# Altium PCB spin5v1_simple.PcbDoc (part 3 of 25)
Units mm, origin at the board's own origin, x right, y up, seen from the top; angles counter-clockwise.
Board outline 220.03 x 233.43 mm, 2 copper layers (TOP, BOTTOM), stack 0.176 mm thick; 1457 components, 4724 nets, 19245 pads, 25289 vias.
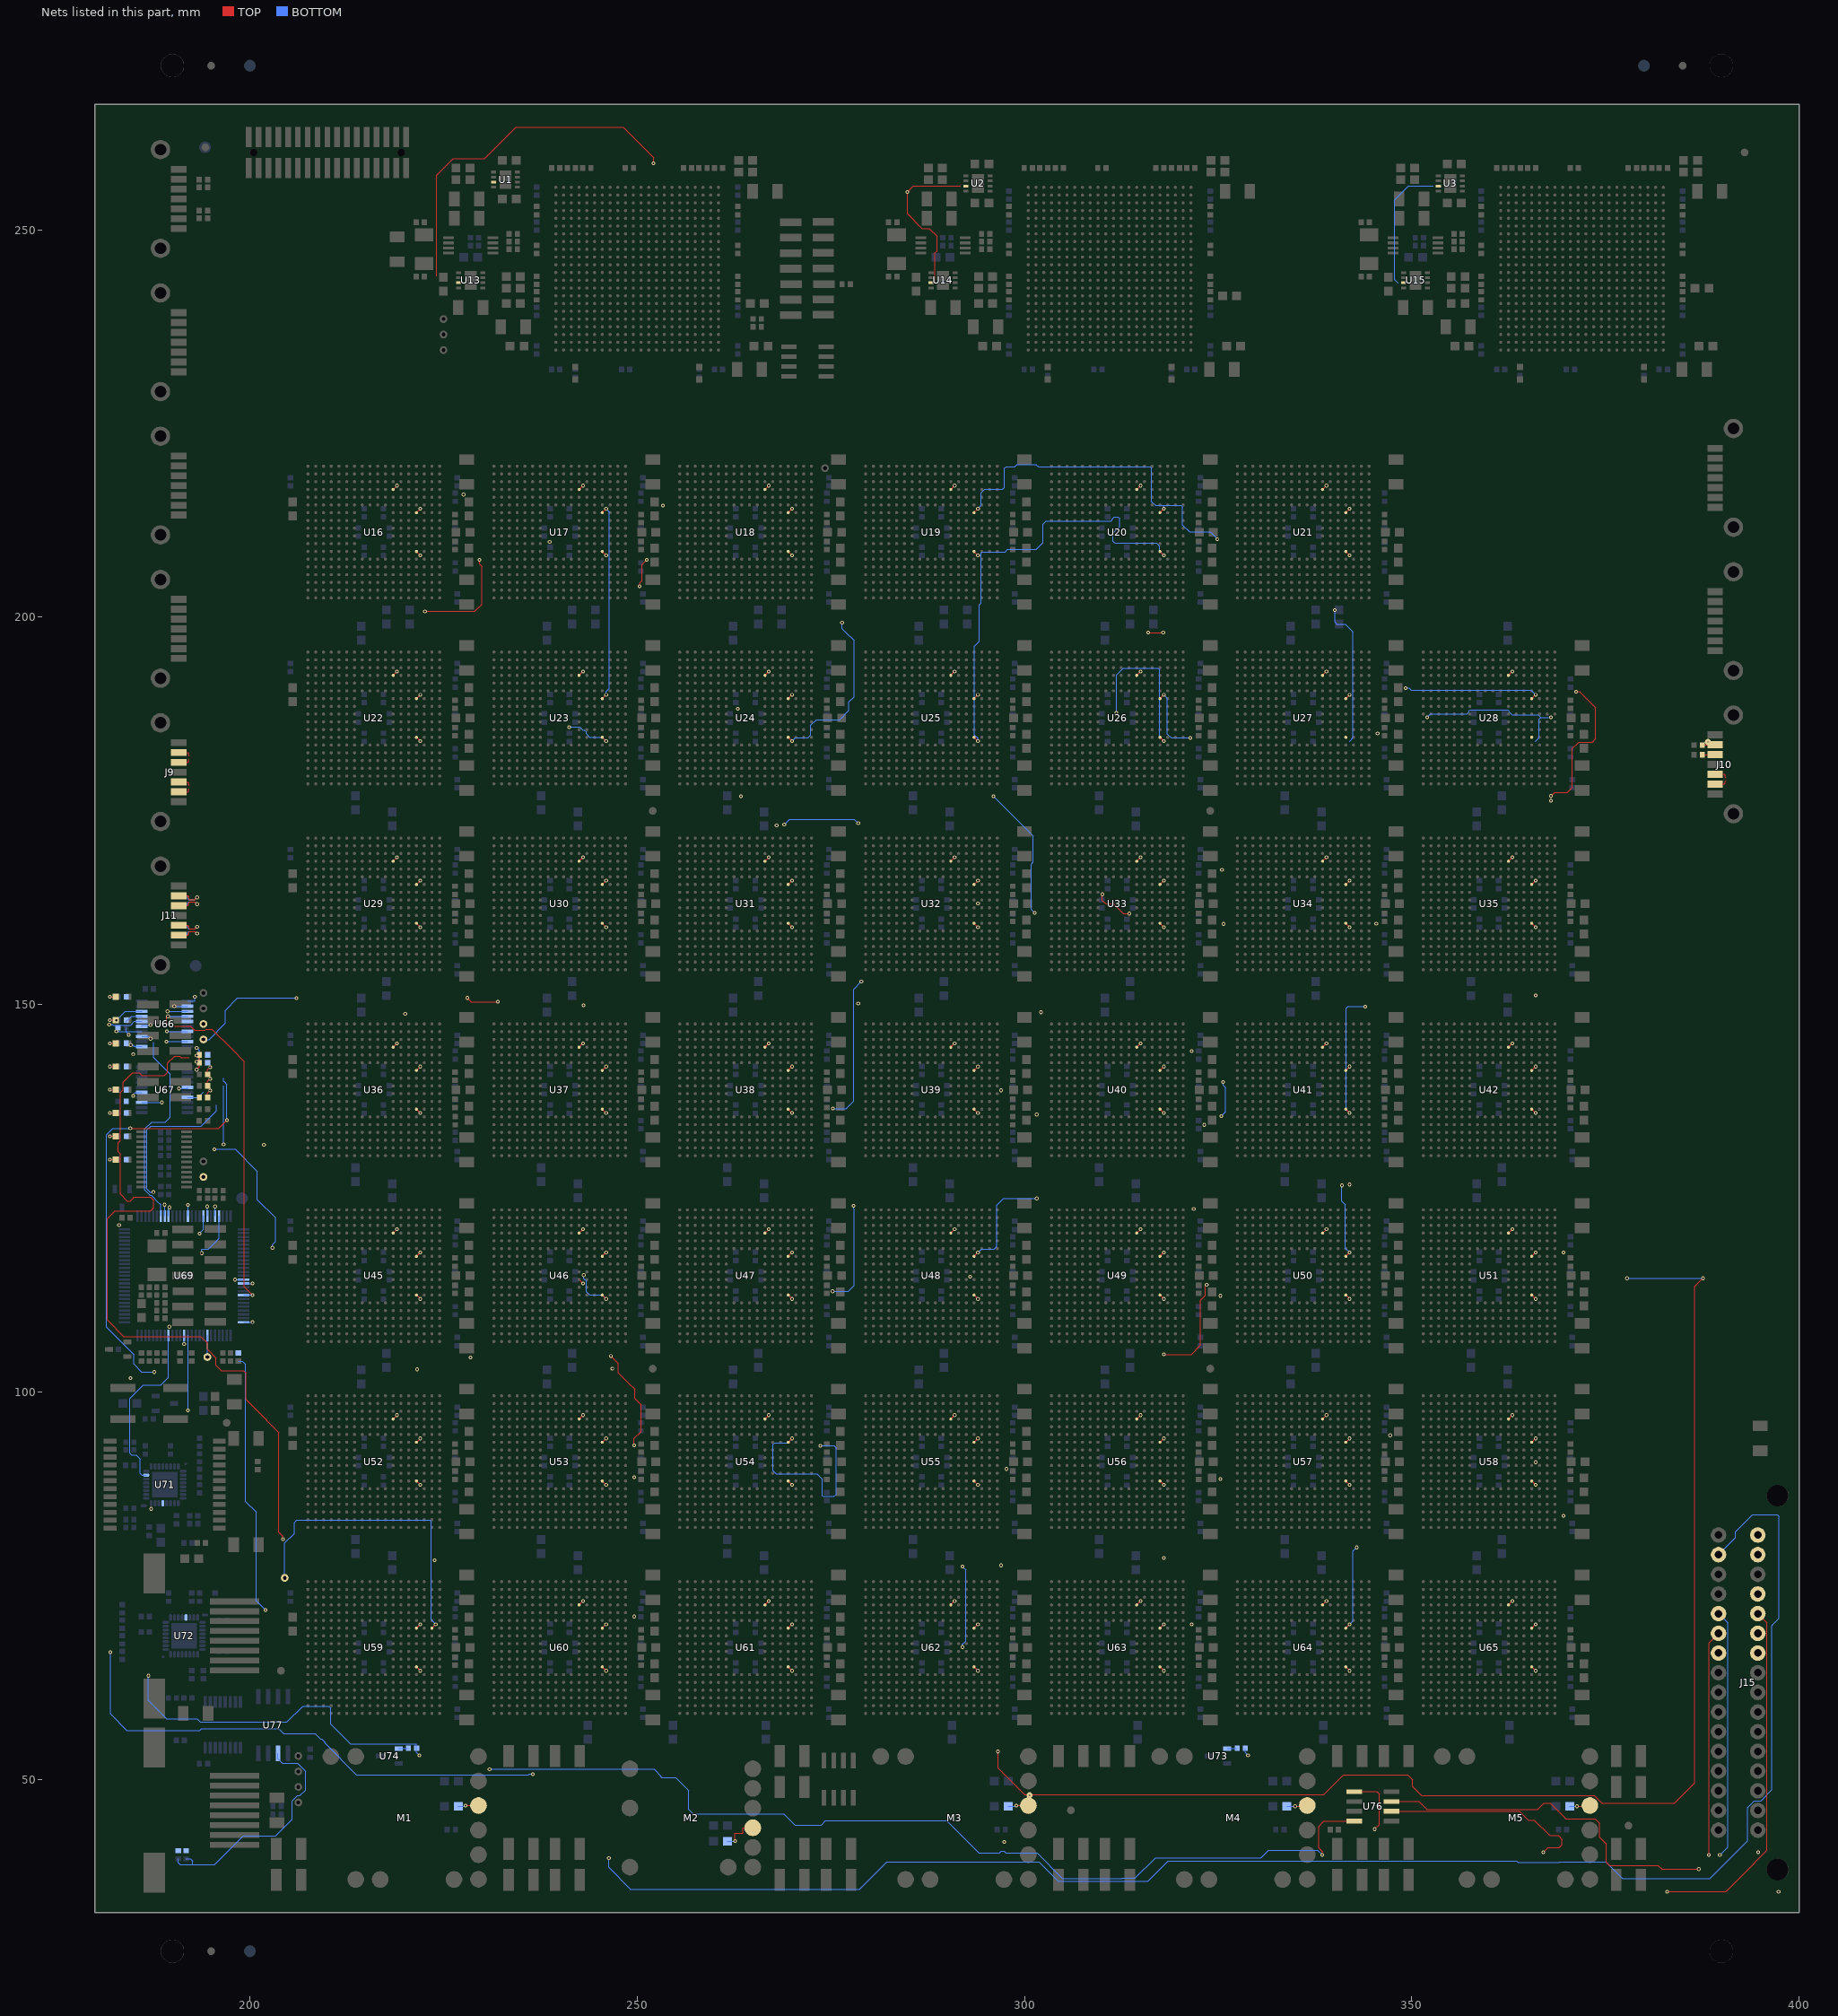
[diagram p3: the nets of this part, all layers, seen from the top]

## Footprints (in the part's own frame and the unit in brackets; to place one, negate y for a bottom-side part, rotate by r counter-clockwise, add the part's x,y. Pads: shape width x height; smd on the part's side, far side on the other; paste and mask are expansions set on the pad) (continued)
LQFP100 [mm] "LQFP100"
  rect 1.5x0.3 smd: 1(7.7,-6) 2(7.7,-5.5) 3(7.7,-5) 4(7.7,-4.5) 5(7.7,-4) 6(7.7,-3.5) 7(7.7,-3) 8(7.7,-2.5) 9(7.7,-2) 10(7.7,-1.5) 11(7.7,-1) 12(7.7,-0.5) 13(7.7,0) 14(7.7,0.5) 15(7.7,1) 16(7.7,1.5) 17(7.7,2) 18(7.7,2.5) 19(7.7,3) 20(7.7,3.5) 21(7.7,4) 22(7.7,4.5) 23(7.7,5) 24(7.7,5.5) 25(7.7,6) 51(-7.7,6) 52(-7.7,5.5) 53(-7.7,5) 54(-7.7,4.5) 55(-7.7,4) 56(-7.7,3.5) 57(-7.7,3) 58(-7.7,2.5) 59(-7.7,2) 60(-7.7,1.5) 61(-7.7,1) 62(-7.7,0.5) 63(-7.7,0) 64(-7.7,-0.5) 65(-7.7,-1) 66(-7.7,-1.5) 67(-7.7,-2) 68(-7.7,-2.5) 69(-7.7,-3) 70(-7.7,-3.5) 71(-7.7,-4) 72(-7.7,-4.5) 73(-7.7,-5) 74(-7.7,-5.5) 75(-7.7,-6)
  rect 0.3x1.5 smd: 26(6,7.7) 27(5.5,7.7) 28(5,7.7) 29(4.5,7.7) 30(4,7.7) 31(3.5,7.7) 32(3,7.7) 33(2.5,7.7) 34(2,7.7) 35(1.5,7.7) 36(1,7.7) 37(0.5,7.7) 38(0,7.7) 39(-0.5,7.7) 40(-1,7.7) 41(-1.5,7.7) 42(-2,7.7) 43(-2.5,7.7) 44(-3,7.7) 45(-3.5,7.7) 46(-4,7.7) 47(-4.5,7.7) 48(-5,7.7) 49(-5.5,7.7) 50(-6,7.7) 76(-6,-7.7) 77(-5.5,-7.7) 78(-5,-7.7) 79(-4.5,-7.7) 80(-4,-7.7) 81(-3.5,-7.7) 82(-3,-7.7) 83(-2.5,-7.7) 84(-2,-7.7) 85(-1.5,-7.7) 86(-1,-7.7) 87(-0.5,-7.7) 88(0,-7.7) 89(0.5,-7.7) 90(1,-7.7) 91(1.5,-7.7) 92(2,-7.7) 93(2.5,-7.7) 94(3,-7.7) 95(3.5,-7.7) 96(4,-7.7) 97(4.5,-7.7) 98(5,-7.7) 99(5.5,-7.7) 100(6,-7.7)
  TOP lines w0.127: 9.217,-0.147 8.786,-0.147 8.786,-0.373 8.659,-0.5 7.7,-0.5 ; 8.914,2 7.7,2 ; 8.817,-5.5 7.7,-5.5 ; 8.817,-4.5 7.7,-4.5 ; 8.817,4.931 8.748,5 7.7,5 ; 8.817,6 7.7,6 ; 7.7,-6 6.583,-6 ; 7.7,-5 6.583,-5 ; 7.7,-4 6.583,-4 ; 7.7,-2 6.583,-2 ; 7.7,-1.5 8.676,-1.5 9.248,-2.072 9.248,-5.691 8.422,-6.517 7.014,-6.517 ; 7.7,0.5 6.583,0.5 ; 7.7,3.5 8.93,3.5 9.248,3.818 9.248,9.132 7.951,10.429 7.951,11.637 7.506,12.082 7.05,12.082 ; 7.7,4.5 6.583,4.5 ; 7.7,5.5 6.724,5.5 6.152,4.928 6.152,2.04 ; 6,7.7 6,10.872 ; 5.583,-15.059 3.532,-15.059 1.5,-13.027 1.5,-7.7 ; 5.5,-9.268 5.5,-7.7 ; 5,-8.817 5,-7.7 ; 4.521,9.678 4,9.157 4,7.7 ; 4.5,7.7 4.5,8.817 ; 3.843,-6.482 3.843,-6.026 2.319,-4.502 0.405,-4.502 -1.5,-6.407 -1.5,-7.7 ; 3.5,-9.258 3.5,-7.7 ; 3,-13.433 3,-7.7 ; 2.651,-16.009 1,-14.358 1,-7.7 ; 2.5,-8.915 2.5,-7.7 ; 2.5,7.7 2.5,9.171 ; 2,7.7 2,8.71 1.893,8.817 ; 1.918,4.471 -1.658,4.471 -3.5,6.313 -3.5,7.7 ; 1.902,-0.108 0.794,1 -7.7,1 ; 1.5,7.7 1.5,8.641 1.414,8.727 1.414,8.991 0.017,10.388 -5.12,10.388 -5.732,11 ; 1,7.7 1,6.739 1.071,6.668 4.134,6.668 4.928,5.874 4.928,5.365 3.15,3.587 -0.979,3.587 -1.664,2.902 ; 0.5,-7.7 0.5,-5.033 ; 0,-8.817 0,-7.7 ; 0,7.7 0,9.258 -0.445,9.703 -0.931,9.703 ; -0.5,-17.379 -0.5,-7.7 ; -0.5,7.7 -0.5,9.131 ; -1,5.017 -1,7.7 ; -1.982,5.448 -2.5,5.966 -2.5,7.7 ; -2.224,-2.169 -3.446,-0.947 -3.446,-0.889 -4.335,0 -7.7,0 ; -2.271,2.902 -2.271,3.36 -2.342,3.431 -3.103,3.431 -4.5,4.828 -4.5,7.7 ; -2.278,-3.529 -4,-5.251 -4,-7.7 ; -2.878,3 -7.7,3 ; -3,7.7 -3,8.931 ; -3.5,-8.817 -3.5,-7.7 ; -4,7.7 -4,8.931 ; -5,-7.7 -5,-1.867 -5.967,-0.9 ; -5,7.7 -5,6.759 -6.431,6.759 -6.431,7.013 ; -5.5,-7.7 -5.5,-9.48 -6.516,-10.496 -8.645,-10.496 ; -5.5,7.7 -5.5,9.247 ; -5.964,3.5 -7.7,3.5 ; -5.964,5.5 -7.7,5.5 ; -6,-7.7 -6,-8.641 -7.091,-8.641 ; -6,7.7 -6,8.817 ; -6.364,2.5 -7.7,2.5 ; -6.394,6 -7.7,6 ; -6.431,-2.569 -6.431,-2.76 -6.671,-3 -7.7,-3 ; -6.578,-0.5 -7.7,-0.5 ; -6.583,-5.5 -7.7,-5.5 ; -6.583,-4.7 -6.583,-4.76 -6.823,-5 -7.7,-5 ; -6.583,-1.5 -7.7,-1.5 ; -6.583,5 -7.7,5 ; -7.7,-6 -8.817,-6 ; -7.7,-3.5 -8.817,-3.5 ; -7.7,-2.5 -8.817,-2.5 ; -7.7,-2 -8.577,-2 -8.817,-1.76 -8.817,-1.693 ; -7.7,-1 -8.817,-1
  silkscreen extent -6.6,-6.86 8.1,6.6, body extent -8,-8 8,8, height 1.6
PCBSW_SMT [mm] "PCBSW_SMT"
  rect 3.2x1 smd: 1(-3.35,-2) 2(3.45,-2) 3(-3.35,2) 4(3.45,2)
  TOP lines w0.127: 5.354,-3.6 5.354,-2.1 5.254,-2 3.45,-2
  silkscreen extent -5.55,-3 5.55,3, body extent -4.94,-3.17 5.1,3.17, height 5.53
QFN32 [mil] "QFN32"
  oct 15x33 smd: 1(68.9,79.25) 2(49.21,79.25) 3(29.53,79.25) 4(9.84,79.25) 5(-9.84,79.25) 6(-29.53,79.25) 7(-49.21,79.25) 8(-68.9,79.25) 17(-68.9,-107.76) 18(-49.21,-107.76) 19(-29.53,-107.76) 20(-9.84,-107.76) 21(9.84,-107.76) 22(29.53,-107.76) 23(49.21,-107.76) 24(68.9,-107.76)
  oct 33x15 smd: 9(-93.5,54.65) 10(-93.5,34.96) 11(-93.5,15.28) 12(-93.5,-4.41) 13(-93.5,-24.09) 14(-93.5,-43.78) 15(-93.5,-63.46) 16(-93.5,-83.15) 25(93.5,-83.15) 26(93.5,-63.46) 27(93.5,-43.78) 28(93.5,-24.09) 29(93.5,-4.41) 30(93.5,15.28) 31(93.5,34.96) 32(93.5,54.65)
  rect 130x130 smd: 33(0,-14.25)
  oval 33x15 smd: " "(-106.3,92.05)
  round 13.78 smd: " "(106.3,-120.55)
  TOP lines w5: -452.64,-90.43 -452.64,-2.56 -415.12,34.96 -93.5,34.96 ; -196.73,-227.13 -196.73,-210.16 -196.69,-210.12 -196.69,-74.09 -146.69,-24.09 -93.5,-24.09 ; -116.46,137.83 -95.08,116.46 -84.53,116.46 -68.9,100.83 -68.9,79.25 ; -68.9,-107.76 -68.9,-135.98 ; -49.21,128.15 -49.21,79.25 ; -29.53,105.67 -29.53,79.25 ; -29.53,-107.76 -29.53,-141.73 ; -9.84,200.83 -9.84,79.25 ; -9.84,-107.76 -9.84,-164.37 ; 9.84,-107.76 9.84,-135.98 ; 49.21,-107.76 49.21,-144.02 51.93,-146.73 51.93,-163.7 ; 68.9,-107.76 68.9,-195.2 ; 88.27,-105.43 88.27,-83.15 93.5,-83.15 ; 93.5,-63.46 116.73,-63.46 121.73,-68.46 121.73,-89.69
  silkscreen extent -122,-136 122,136, body extent -98,-113 98,84, height 30
R_PDSS_B10_E [mm] "R_PDSS_B10_E"
  round 2.16 smd: 1(-7.94,6.35) 2(-7.94,1.28) 3(-7.94,-6.35) 4(4.76,-6.35) 5(7.93,-6.35) 6(7.93,-3.81) 7(7.93,-1.27) 8(7.93,1.27) 9(7.93,3.81) 10(7.93,6.35)
  TOP lines w0.127: 1.5,-1.5 1.5,-7.5 2.363,-8.363 7.188,-8.363 7.93,-7.621 7.93,-6.35
  silkscreen extent -9.97,-8.38 9.97,8.38, body extent -8.52,-6.58 4.18,8.66, height 8.18
R_PDSS_B11_E [mm] "R_PDSS_B11_E"
  round 2.16 smd: 1(-9.535,7.94) 2(-6.345,-7.94) 3(-3.175,-7.94) 4(6.345,-7.94) 5(9.515,-7.91) 6(9.515,-4.74) 7(9.515,-1.57) 8(9.515,1.6) 9(9.515,4.77) 10(9.515,7.94) 11(-6.345,7.94)
  TOP lines w0.127: -6.345,7.94 -5.074,6.669 -4.546,6.669 -4.101,7.114 -4.101,8.45 ; 5.333,-4.739 8.243,-4.739 8.244,-4.74 9.515,-4.74
  silkscreen extent -11.55,-9.97 11.56,9.97, body extent -10.92,-5.79 1.78,9.45, height 8.18
RES_0402 [mm] "RES_0402"
  rect 0.67x0.72 smd: 1(-0.53,0) 2(0.53,0)
  TOP lines w0.127: 0.53,0 0.53,0.567 0.871,0.908
RES_0603 [mm] "RES_0603"
  rect 1.15x1.1 smd: 1(0.9,0) 2(-0.9,0)
  TOP lines w0.127: 2.239,0 0.9,0
  body extent -0.8,-0.4 0.8,0.4, height 0.45
RJ45_SMT [mm] "RJ45_SMT"
  rect 0.76x6.35 smd: 1(-4.44,7.31) 2(-3.17,7.31) 3(-1.9,7.31) 4(-0.63,7.31) 5(0.64,7.31) 6(1.91,7.31) 7(3.18,7.31) 8(4.45,7.31)
  rect 5.15x2.8 smd: " "(-8.08,-3.02) " "(8.08,-3.02)
  TOP lines w0.127: -0.5,3.307 -0.5,3.814 -0.63,3.944 -0.63,7.31 ; 4.45,7.31 4.45,10.725 4.323,10.852 3.18,10.852 3.18,7.31
  silkscreen extent -11,-11.19 11,10.81, body extent -10.16,-8.57 10.16,9.82, height 11.68
SATA_PLUG [mm] "SATA_PLUG"
  rect 2x0.9 smd: 1(-4.81,4.31) 2(-4.81,3.04) 3(-4.81,1.77) 4(-4.81,0.5) 5(-4.81,-0.77) 6(-4.81,-2.04) 7(-4.81,-3.31)
  round 2.5 hole 1.5: " "(-2.45,6.87) " "(-2.45,-5.87)
  Multi-Layer pour cut-out: -3.8,-7.2 -1.1,-7.2 -1.1,-4.5 -3.8,-4.5 -3.8,-7.2
  Multi-Layer pour cut-out: -3.8,5.5 -1.1,5.5 -1.1,8.2 -3.8,8.2 -3.8,5.5
  Multi-Layer pour cut-out: -4.988,-8.255 7.112,-8.255 7.112,9.685 -4.988,9.685
  silkscreen extent -5.95,-8.87 5.95,8.87, body extent -5.59,-8.78 5.97,8.76, height 5.85
SOIC8 [mm] "SOIC8"
  rect 2x0.6 smd: 1(-2.344,1.694) 2(-2.344,0.424) 3(-2.344,-0.846) 4(-2.344,-2.116) 5(2.456,-2.116) 6(2.456,-0.846) 7(2.456,0.424) 8(2.456,1.694)
  silkscreen extent -0.94,-2.66 1.06,2.24, body extent -3,-2.7 3,2.2, height 1.75
SOIC8_208 [mm] "SOIC8_208"
  rect 2x0.6 smd: 1(3.66,-1.819) 2(3.66,-0.549) 3(3.66,0.721) 4(3.66,1.991) 5(-3.66,1.991) 6(-3.66,0.721) 7(-3.66,-0.549) 8(-3.66,-1.819)
  silkscreen extent -1.8,-2.78 3.41,2.78, body extent -3,-2.32 3,2.58, height 1.75
SOT23#1 [mm] "SOT23"
  rect 1.05x0.6 smd: 1(-1.19,0.718) 2(-1.19,-1.182) 3(1.19,-0.232)
  TOP lines w0.127: 1.304,3.168 -0.474,1.39 -0.474,0.718 -1.19,0.718
  silkscreen extent -1.49,-1.68 0.35,1.68, body extent -1.4,-1.7 1.4,1.2, height 1.3
SOT23#2 [mm] "SOT23"
  rect 1.05x0.6 smd: 1(1.19,-0.718) 2(1.19,1.182) 3(-1.19,0.232)
  TOP lines w0.127: -10.147,-0.985 -9.716,-1.416 -0.41,-1.416 0.288,-0.718 1.19,-0.718
  silkscreen extent -1.49,-1.68 0.35,1.68, body extent -1.4,-1.7 1.4,1.2, height 1.3
SOT23#3 [mm] "SOT23"
  rect 1.05x0.6 smd: 1(1.19,-0.718) 2(1.19,1.182) 3(-1.19,0.232)
  TOP lines w0.127: 0.582,0.232 -1.19,0.232
  silkscreen extent -1.49,-1.68 0.35,1.68, body extent -1.4,-1.7 1.4,1.2, height 1.3
SOT23#4 [mm] "SOT23"
  rect 1.05x0.6 smd: 1(1.19,-0.718) 2(1.19,1.182) 3(-1.19,0.232)
  TOP lines w0.127: -2.101,-0.218 -2.101,-0.008 -1.861,0.232 -1.19,0.232
  silkscreen extent -1.49,-1.68 0.35,1.68, body extent -1.4,-1.7 1.4,1.2, height 1.3
SOT23#5 [mm] "SOT23"
  rect 1.05x0.6 smd: 1(1.19,-0.718) 2(1.19,1.182) 3(-1.19,0.232)
  TOP lines w0.127: -2.49,0.232 -1.19,0.232
  silkscreen extent -1.49,-1.68 0.35,1.68, body extent -1.4,-1.7 1.4,1.2, height 1.3
TP_SMALL [mm] "TP_SMALL"
  round 1 hole 0.5: 1(0,0)
TSSOP8 [mm] "TSSOP8"
  rect 1.4x0.35 smd: 1(-2.547,0.975) 2(-2.547,0.325) 3(-2.547,-0.325) 4(-2.547,-0.975) 5(3.203,-0.975) 6(3.203,-0.325) 7(3.203,0.325) 8(3.203,0.975)
  TOP lines w0.025: -3.672,-2.5 -3.672,2.5 4.328,2.5 4.328,-2.5 -3.672,-2.5
  TOP lines w0.127: -2.547,0.975 -0.897,0.975 -0.872,1
  silkscreen extent -3.8,-2 1.83,2, body extent -2.85,-1.48 3.61,1.52, height 1.2
TSSOP16 [mm] "TSSOP16"
  rect 1.5x0.45 smd: 1(2.857,-2.227) 2(2.857,-1.577) 3(2.857,-0.927) 4(2.857,-0.277) 5(2.857,0.373) 6(2.857,1.023) 7(2.857,1.673) 8(2.857,2.323) 9(-3.043,2.323) 10(-3.043,1.673) 11(-3.043,1.023) 12(-3.043,0.373) 13(-3.043,-0.277) 14(-3.043,-0.927) 15(-3.043,-1.577) 16(-3.043,-2.227)
  silkscreen extent -1.99,-2.85 1.81,2.95, body extent -3.35,-2.5 3.1,2.5, height 1.2
TSSOP20 [mm] "TSSOP20"
  rect 1.5x0.45 smd: 1(2.857,-2.727) 2(2.857,-2.077) 3(2.857,-1.427) 4(2.857,-0.777) 5(2.857,-0.127) 6(2.857,0.523) 7(2.857,1.173) 8(2.857,1.823) 9(2.857,2.473) 10(2.857,3.123) 11(-3.043,3.123) 12(-3.043,2.473) 13(-3.043,1.823) 14(-3.043,1.173) 15(-3.043,0.523) 16(-3.043,-0.127) 17(-3.043,-0.777) 18(-3.043,-1.427) 19(-3.043,-2.077) 20(-3.043,-2.727)
  TOP lines w0.127: -7.26,0.272 -6.829,0.272 -6.74,0.361 -4.482,0.361 -3.994,-0.127 -3.043,-0.127 ; -6.337,1.173 -3.043,1.173 ; -6.325,-0.263 -5.161,-1.427 -3.043,-1.427 ; -5.089,-0.07 -4.382,-0.777 -3.043,-0.777 ; -4.482,2.93 -4.051,2.93 -4.051,3.123 -3.043,3.123 ; -3.043,1.823 -2.166,1.823 -1.926,2.063 -1.926,2.11 ; -3.043,0.523 -3.043,0.365 -1.926,0.365 ; -3.043,-2.077 -1.926,-2.077 ; -0.237,-3.236 -0.237,-0.7 1.097,0.634 2.857,0.634 2.857,0.523 ; 0.125,2.473 2.857,2.473 ; 0.193,1.173 2.857,1.173 ; 0.26,-1.427 2.857,-1.427 ; 0.325,-0.777 2.857,-0.777 ; 1.14,-2.077 2.857,-2.077 ; 2.857,1.823 3.974,1.823 ; 2.857,-2.727 3.798,-2.727 3.798,-3.319
  silkscreen extent -1.98,-3.05 1.8,3.45, body extent -3.35,-3.12 3.1,3.38, height 1.2
TSSOP24 [mm] "TSSOP24"
  rect 1.4x0.35 smd: 1(-2.595,3.265) 2(-2.595,2.615) 3(-2.595,1.965) 4(-2.595,1.315) 5(-2.595,0.665) 6(-2.595,0.015) 7(-2.595,-0.635) 8(-2.595,-1.285) 9(-2.595,-1.935) 10(-2.595,-2.585) 11(-2.595,-3.235) 12(-2.595,-3.885) 13(3.155,-3.885) 14(3.155,-3.235) 15(3.155,-2.585) 16(3.155,-1.935) 17(3.155,-1.285) 18(3.155,-0.635) 19(3.155,0.015) 20(3.155,0.665) 21(3.155,1.315) 22(3.155,1.965) 23(3.155,2.615) 24(3.155,3.265)
  TOP lines w0.127: -4.195,-3.228 -4.911,-2.512 -4.911,0.181 -4.811,0.281 -3.796,0.281 -3.53,0.015 -2.595,0.015 ; -2.595,0.665 -1.528,0.665 ; -2.595,1.315 -1.528,1.315 ; -2.595,1.965 -1.528,1.965 ; 1.587,-1.31 2.262,-0.635 3.155,-0.635 ; 1.587,1.19 2.112,0.665 3.155,0.665 ; 3.155,-1.285 4.222,-1.285 ; 3.155,0.015 4.223,0.015 ; 3.155,1.315 4.222,1.315
  silkscreen extent -1.65,-4.31 2.1,3.94, body extent -3.02,-4.23 3.43,3.57, height 1.2
WURTH_ETH_TXFMR [mm] "WURTH_ETH_TXFMR"
  rect 1.65x0.64 smd: 1(-7.05,5.59) 2(-7.05,4.57) 3(-7.05,3.55) 4(-7.05,2.53) 5(-7.05,1.51) 6(-7.05,0.49) 7(-7.05,-0.53) 8(-7.05,-1.55) 9(-7.05,-2.57) 10(-7.05,-3.59) 11(-7.05,-4.61) 12(-7.05,-5.63) 13(7.05,-5.63) 14(7.05,-4.61) 15(7.05,-3.59) 16(7.05,-2.57) 17(7.05,-1.55) 18(7.05,-0.53) 19(7.05,0.49) 20(7.05,1.51) 21(7.05,2.53) 22(7.05,3.55) 23(7.05,4.57) 24(7.05,5.59)
  TOP lines w0.125: -1.71,-3.722 -1.895,-3.722 -2.325,-3.292 -2.757,-3.292 -4.524,-5.059 -4.874,-5.059 -5.143,-4.79 -5.143,-4.34 -5.639,-3.844 -6.796,-3.844 -7.05,-3.59 ; -2.579,-3.722 -2.591,-3.722 -2.711,-3.842 -2.847,-3.842 -4.389,-5.384 -6.804,-5.384 -7.05,-5.63 ; -7.05,5.59 -8.024,5.59 -8.927,4.687 -10.595,4.687 -10.795,4.887 ; -7.05,3.55 -8.066,3.55 -8.878,4.362 -10.619,4.362 -10.795,4.186 -10.795,4.018 ; -7.05,2.53 -7.941,2.53 -8.747,1.724 -9.434,1.724 -9.663,1.953 -9.768,1.953 ; -7.05,0.49 -7.887,0.49 -8.796,1.399 -9.453,1.399 -9.768,1.084 ; -7.05,-0.53 -7.313,-0.793 -8.198,-0.793 -8.926,-0.065 ; -7.05,-2.57 -7.316,-2.304 -7.871,-2.304 -8.216,-1.959 -8.216,-1.166 -8.264,-1.118 -8.333,-1.118 -8.517,-0.934 -8.926,-0.934
  TOP lines w0.127: 7.05,4.57 5.985,4.57 5.858,4.697 5.858,5.5 ; 7.05,1.51 5.858,1.51 ; 7.05,-1.55 5.905,-1.55 5.858,-1.503 ; 7.05,-4.61 6.098,-4.61 5.858,-4.85 5.858,-4.931 ; -5.858,-1.55 -7.05,-1.55 ; -7.05,4.57 -6.034,4.57 -5.866,4.402 -5.866,2.189 -6.545,1.51 -7.05,1.51 ; -7.05,-4.61 -10.219,-4.61 -11.263,-3.566
  silkscreen extent -5.97,-6.82 5.97,6.82, body extent -5.98,-6.83 5.98,6.83, height 3

## Free pads (board coordinates)
  round 3 hole 3: ""(190,27.8) ""(190,271.2) ""(390,27.8) ""(390,271.2)
  round 1.524 smd far side: ""(193,155) ""(194.203,260.669) ""(199,125) ""(200,27.8) ""(200,271.2) ""(380,271.2)
  round 1 smd: ""(194.251,260.669) ""(195,27.8) ""(195,271.2) ""(385,271.2)
  round 1 all layers, no hole: ""(197,96) ""(204,64) ""(252,103) ""(252,175) ""(306,46) ""(324,103) ""(324,175) ""(378,44) ""(393,260)

## Via types
v1: diameter 0.48, hole 0.25, TOP to BOTTOM, 22348 vias
v2: diameter 0.61, hole 0.3, TOP to BOTTOM, 2059 vias
v3: diameter 0.8, hole 0, TOP to BOTTOM, 882 vias

## Nets (pads, with @x,y where several pads share a name; then routed paths per layer and width w, separated by ;. In a path a pad name is that pad's centre, name@x,y a point inside that pad or via, vN(x,y) a via of type N, cw(c..) or ccw(c..) an arc to the next point about the centre after c; other vN are vias at no path point)
ADJ_12A: M1.8 R196.2 | length 2.7
  TOP w0.127: v1(227.842,46.6) M1.8@229.515,46.6
  BOTTOM w0.127: R196.2@226.9,46.5 227.842,46.5 v1(227.842,46.6)
ADJ_12B: M3.8 R195.2 | length 175.8
  TOP w0.127: v1(296.6,53.569) 296.6,51.427 300.036,47.991 338.631,47.991 341.198,50.558 349.47,50.558 350.122,49.906 350.122,49.026 351.277,47.871 373.57,47.871 374.54,46.901 383.937,46.901 386.541,49.505 386.541,113.601 v1(387.6,114.66) ; v1(298.966,46.6) M3.8@300.515,46.6
  BOTTOM w0.127: R195.2@297.9,46.5 298.966,46.5 v1(298.966,46.6) ; v1(377.8,114.66) v1(387.6,114.66)
  other v3: 300.666,47.917
ADJ_12C: M5.8 R193.2 | length 2.7
  TOP w0.127: v1(371.342,46.5) 373.015,46.5 M5.8@373.015,46.6
  BOTTOM w0.127: R193.2@370.4,46.5 v1(371.342,46.5)
ADJ_18: M4.8 R194.2 | length 2.7
  TOP w0.127: v1(334.955,46.5) 336.515,46.5 M4.8@336.515,46.6
  BOTTOM w0.127: R194.2@333.9,46.5 v1(334.955,46.5)
ADJ_33: M2.7 R202.2 | length 5
  TOP w0.127: v1(262.644,42) 262.644,43.012 263.659,43.012 263.659,43.73 M2.7@264.93,43.73
  BOTTOM w0.127: R202.2@261.65,42 v1(262.644,42)
BID<0>: J15.A7 R12.2 | length 19.4
  BOTTOM w0.127: v1(187.547,125.794) 187.083,125.794 186.686,126.191 186.686,133.807 187.194,134.315 193.704,134.315 195.673,136.284 195.673,136.998
  other v1: 194.871,138.908
BID<1>: J15.C7 R99.2 | length 66.1
  BOTTOM w0.127: v1(181.989,66.417) 181.989,58.434 184.102,56.321 193.513,56.321 193.734,56.542 203.727,56.542 204.373,55.896 208.442,55.896 209.133,55.205 209.264,55.205 209.665,54.804 209.665,54.673 213.769,50.569 235.997,50.569 236.084,50.656 v1(236.515,50.656)
  other v1: 183.113,121.517
BID<2>: J15.A5 R11.2 | length 53.7
  TOP w0.127: v1(382.999,35.483) 390.579,35.483 394.326,39.23 394.326,39.261 395.891,40.826 395.891,70.179 J15.A5@394.7,71.37
  BOTTOM w0.127: v1(196.598,131.948) 196.598,139.5
  other v1: 194.871,140.408
BID<3>: J15.C5 R131.2 | length 66
  BOTTOM w0.127: 198.5,103.97 199.056,103.97 199.453,103.573 199.453,85.853 200.799,84.507 200.799,73.041 v1(201.998,71.842) ; J15.C5@389.62,71.37 390.811,70.179 390.811,41.244 v1(389.788,40.221)
BID<4>: J15.A4 R10.2 | length 56.1
  TOP w0.127: v1(184.554,134.022) 195.986,134.022 v1(197.029,135.065)
  BOTTOM w0.127: v1(184.554,134.022) 182.303,134.022 181.477,133.196 181.477,108.36 182.271,107.566 182.282,107.566 185.013,104.835 185.013,103.583 186.029,102.567 v1(187.65,102.567) ; 196.599,140.5 196.599,140.069 196.648,140.069 197.029,139.688 v1(197.029,135.065)
  other v1: 194.871,141.908
BMP_AT25_SO: R203.2 R204.2 U77.2 | length 31.2
  BOTTOM w0.127: 190.75,39.72 190.75,39.194 190.966,38.978 192.603,38.978 ; 191.75,39.72 192.301,39.72 192.603,39.418 192.603,38.978 ; U77.2@203.63,53.34 203.63,52.64 204.182,52.088 206.139,52.088 207.195,51.032 207.195,48.608 206.469,47.882 206.155,47.882 205.461,47.188 205.461,44.821 203.31,42.67 199.159,42.67 195.467,38.978 192.603,38.978
BMP_LED_R<0>: D14.1 R112.2
  other v1: 181.908,130
BMP_LED_R<1>: D13.1 R108.2
  other v1: 181.908,133
BMP_LED_R<2>: D12.1 R100.2
  other v1: 181.908,136
BMP_LED_R<3>: D11.1 R98.2
  other v1: 181.908,139
BMP_LED_R<4>: D10.1 R97.2
  other v1: 181.908,142
BMP_LED_R<5>: D9.1 R89.2
  other v1: 181.908,145
BMP_LED_R<6>: D8.1 R87.2
  other v1: 181.908,148
BMP_LED_R<7>: D7.1 R86.2
  other v1: 181.908,151
BOOT1_U: R12.1 U67.17 U69.75
  other v1: 200.317,109 201.817,131.885
BOOT<1>: TP8.1 U16.M15 U17.M15 U18.M15 U19.M15 U20.M15 U21.M15 U22.M15 U23.M15 U24.M15 U25.M15 U26.M15 U27.M15 U28.M15 U29.M15 U30.M15 U31.M15 U32.M15 U33.M15 U34.M15 U35.M15 U36.M15 U37.M15 U38.M15 U39.M15 U40.M15 U41.M15 U42.M15 U45.M15 U46.M15 U47.M15 U48.M15 U49.M15 U50.M15 U51.M15 U52.M15 U53.M15 U54.M15 U55.M15 U56.M15 U57.M15 U58.M15 U59.M15 U60.M15 U61.M15 U62.M15 U63.M15 U64.M15 U65.M15 U67.3 | length 253.4
  TOP w0.127: v1(222.6,200.765) 229.057,200.765 229.946,201.654 229.946,206.545 229.648,206.843 v1(229.648,207.4) ; v1(250.321,204) 250.321,204.431 250.635,204.745 250.635,206.808 v1(251.227,207.4) ; v1(310.067,164.242) 310.067,163.441 310.512,162.996 311.51,162.996 312.764,161.742 v1(313.534,161.742) ; v1(315.999,198.02) v1(317.917,198.02)
  BOTTOM w0.127: TP8.1@194,145.5 194.726,145.5 196.822,147.596 196.822,149.26 198.41,150.848 v1(206.01,150.848) ; v1(241.204,185.828) 242.563,185.828 242.96,185.431 243.178,185.431 243.431,185.178 243.431,184.95 243.876,184.505 245.495,184.505 v1(246,184) ; v1(243.099,115.067) 243.099,114.636 243.431,114.304 243.431,112.95 243.876,112.505 245.495,112.505 v1(246,112) ; v1(270,184) 270.431,184.431 272.05,184.431 272.431,184.812 272.431,186.067 273.13,186.766 276.146,186.766 277.353,187.973 277.353,189.064 278.012,189.723 278.012,196.996 276.869,198.139 276.853,198.139 276.456,198.536 v1(276.456,199.321) ; v1(275.237,112.984) 277.265,112.984 278.027,113.746 278.027,123.484 277.942,123.569 v1(277.942,124) ; v1(275.285,136.584) 276.989,136.584 277.942,137.537 277.942,151.989 v1(278.942,152.989) ; v1(292,67.067) 292,67.391 292.431,67.822 292.431,77.009 v1(292,77.44) ; v1(294,184) 294,184.391 293.569,184.822 293.569,196.288 293.966,196.685 293.973,196.685 294.172,196.884 294.172,201.563 294.431,201.822 294.431,208 ; v1(294,208) 294.431,208 ; v1(311.89,187.678) 311.89,192.542 312.779,193.431 317.232,193.431 317.431,193.232 317.431,184.569 v1(318,184) ; v1(318,208) 317.431,208.569 317.431,209.185 317.05,209.566 311.692,209.566 311.438,209.82 311.438,210.828 312.3,211.69 312.3,212.767 312.101,212.966 311.629,212.966 311.311,212.648 311.311,212.531 311.211,212.431 302.817,212.431 302.42,212.034 302.42,209.648 301.531,208.759 297.849,208.759 297.521,208.431 294.558,208.431 294.431,208.304 294.431,208 ; v1(325.435,135.608) 325.973,136.146 325.973,139.261 325.665,139.569 v1(325.665,140) ; v1(340.083,200.907) 340.083,199.374 340.337,199.12 341.415,199.12 342.431,198.104 342.431,184.431 342,184 ; v1(342,136) 341.569,136.431 341.569,149.54 341.768,149.739 v1(344,149.739) ; v1(352,187.066) 352.434,187.5 357.113,187.5 357.431,187.818 357.431,187.966 357.531,188.066 362.461,188.066 362.561,187.966 362.561,187.792 362.958,187.395 366.358,187.395 366.686,187.067 ; 366,184 366.432,184.432 366.432,186.813 366.686,187.067 ; v1(368,187.067) 366.686,187.067
  other v1: 222,64 246,64 270,64 294,64 318,64 342,64 366,64 223.862,78.274 318,78.556 369.607,84 222,88 246,88 270,88 294,88 318,88 342,88 366,88 325.315,88.761 246.8,103.014 222,112 270,112 294,112 318,112 342,112 366,112 325.315,112.405 243,114 293,114.88 369.607,117.977 321.862,123.6 341.989,126.765 323.227,134.469 222,136 246,136 270,136 294,136 318,136 366,136 188.647,137.37 220.049,148.807 243.063,149.903 222,160 246,160 270,160 294,160 318,160 342,160 366,160 325.715,160.408 345.431,160.43 268,173.118 368,176.321 222,184 345.607,185.001 222,208 246,208 270,208 342,208 238.696,209.742
CAN_M: J15.A6 U76.6 | length 27
  TOP w0.127: U76.6@347.4,45.86 363.925,45.86 365.06,44.725 365.829,44.725 367.815,42.739 368.916,42.739 369.41,42.245 369.41,41.505 369.079,41.174 367.606,41.174 v1(366.998,40.566)
CAN_P: J15.C6 U76.7 | length 75.5
  TOP w0.127: U76.7@347.4,47.13 350.94,47.13 351.956,46.114 366.259,46.114 367.076,46.931 367.905,46.931 369.951,44.885 373.693,44.885 374.286,44.292 374.286,42.499 375.162,41.623 375.162,39.277 375.56,38.879 381.825,38.879 382.3,38.404 v1(387.061,38.404) ; v1(388.388,40.235) 388.388,67.598 J15.C6@389.62,68.83
CAN_RX: U69.46 U76.4 | length 125.9
  TOP w0.127: v1(338.466,40.234) 338.466,40.665 338.009,41.122 338.009,43.922 338.677,44.59 U76.4@342.6,44.59
  BOTTOM w0.127: v1(230.943,51.287) 252.18,51.287 253.069,50.398 253.069,50.355 253.196,50.228 254.969,50.228 256.663,48.534 256.663,46.119 257.234,45.548 268.914,45.548 270.363,44.099 273.789,44.099 274.316,44.626 289.949,44.626 294.12,40.455 296.76,40.455 296.995,40.69 297.351,40.69 297.586,40.455 301.64,40.455 304.891,37.204 312.655,37.204 312.667,37.216 314.276,37.216 316.91,39.85 330.573,39.85 331.55,40.827 337.873,40.827 v1(338.466,40.234)
  other v1: 195.5,123.931
CAN_TX: U69.47 U76.1 | length 8.1
  TOP w0.127: U76.1@342.6,48.4 345.492,48.4 345.81,48.082 345.81,44.142 v1(345.218,43.55)
  other v1: 193.771,117.902
CLK10: TP12.1 U59.G17 U69.44 | length 39
  BOTTOM w0.127: TP12.1@204.5,76 204.5,80.491 205.736,81.727 205.736,83.113 206.054,83.431 223.232,83.431 223.431,83.232 223.431,70.569 v1(224,70)
  other v1: 194.5,123.931
CLK25: TP11.1 U69.82 U72.5 | length 2.8
  BOTTOM w0.127: TP11.1@194.5,104.5 U69.82@194.5,107.3
CLK32: TP7.1 U16.G15 U17.G15 U18.G15 U19.G15 U20.G15 U21.G15 U22.G15 U23.G15 U24.G15 U25.G15 U26.G15 U27.G15 U28.G15 U29.G15 U30.G15 U31.G15 U32.G15 U33.G15 U34.G15 U35.G15 U36.G15 U37.G15 U38.G15 U39.G15 U40.G15 U41.G15 U42.G15 U45.G15 U46.G15 U47.G15 U48.G15 U49.G15 U50.G15 U51.G15 U52.G15 U53.G15 U54.G15 U55.G15 U56.G15 U57.G15 U58.G15 U59.G15 U60.G15 U61.G15 U62.G15 U63.G15 U64.G15 U65.G15 U67.5 | length 249
  TOP w0.127: v1(228.059,150.866) 228.571,150.354 v1(232,150.354) ; v1(246.6,104.639) 247.585,103.654 247.585,102.463 248.855,101.193 248.859,101.193 249.685,100.367 249.685,99.148 250.486,98.347 250.486,94.863 249.607,93.984 v1(249.607,93.1) ; v1(318.001,104.842) 321.547,104.842 322.754,106.049 322.754,111.829 323.366,112.441 323.366,113.673 v1(323.535,113.842) ; v1(368,176.928) 368.471,177.399 370.119,177.399 370.754,178.034 370.754,183.04 371.58,183.866 373.328,183.866 373.773,184.311 373.773,188.304 371.677,190.4 v1(371.228,190.4)
  BOTTOM w0.127: v1(184.933,138.226) 184.933,138.43 185.173,138.67 U67.5@186.05,138.67 ; v1(195.396,131.317) 198.114,131.317 200.972,128.459 200.972,124.82 203.328,122.464 203.328,119.443 202.916,119.031 v1(202.916,118.6) ; v1(246,190) 246,190.391 246.431,190.822 246.431,213.569 v1(246,214) ; v1(268.993,173.232) 269.684,173.923 278.05,173.923 v1(278.542,173.431) ; v1(270,94) 269.431,93.431 267.768,93.431 267.569,93.232 267.569,89.812 267.95,89.431 273.24,89.431 273.939,88.732 273.939,86.604 274.039,86.504 275.444,86.504 275.698,86.758 275.698,92.784 275.444,93.038 v1(273.67,93.038) ; v1(294,118) 294.445,118.445 296.113,118.445 296.431,118.763 296.431,124.089 297.32,124.978 v1(301.597,124.978) ; v1(294,214) 294.432,214.432 294.432,216.06 294.877,216.505 297.177,216.505 297.431,216.759 297.431,219.228 297.63,219.427 298.73,219.427 299.042,219.739 301.504,219.739 301.812,219.431 316.232,219.431 316.431,219.232 316.431,214.939 316.939,214.431 318,214.431 ; v1(296,176.897) 296.761,176.136 296.768,176.136 301.15,171.754 301.15,168.398 300.898,168.146 300.898,162.273 v1(301.329,161.842) ; v1(318,190) 318.432,189.568 318.432,184.939 318.94,184.431 v1(321.431,184.431) ; v1(318,214) 318,214.431 ; v1(324.922,210.083) 323.985,211.02 321.32,211.02 320.431,211.909 320.431,214.232 320.232,214.431 318,214.431 ; v1(341,126.646) 341,124.609 341.431,124.178 341.431,118.569 v1(342,118) ; v1(342,70) 342.432,70.432 342.432,79.457 v1(342.9,79.925) ; v1(349.227,190.865) 349.658,190.865 349.957,190.566 365.434,190.566 v1(366,190)
  other v1: 222,70 246,70 270,70 294,70 318,70 321.607,70 366,70 249.607,71 297,77.606 249.607,89 297.696,90.049 366,90.931 222,94 246,94 294,94 318,94 342,94 366,94 347.227,94.4 221.599,102.904 228.465,104.427 222,118 246,118 270,118 318,118 366,118 301.597,135.8 297,138.931 222,142 246,142 270,142 294,142 318,142 342,142 366,142 321.607,144 302.152,149 278.542,150.131 366,151.196 294,163.068 222,166 246,166 270,166 294,166 318,166 342,166 366,166 325.515,167.4 263.4,176.907 262.999,188.172 222,190 270,190 294,190 342,190 222,214 270,214 342,214 253.342,214.407 227.578,215.842
CLK32_U: U67.15 U69.39
  other v1: 192,124.131 190.833,139.162
CLK50: TP10.1 U69.43 U69.88 U71.5
  other v1: 191.5,106.183 193.482,120.448
CRS: U69.92 U71.15 | length 23
  BOTTOM w0.127: U71.15@186.625,89.25 186.074,89.25 185.82,89.504 185.82,91.354 185.312,91.862 184.703,91.862 184.504,92.061 184.504,99.165 186.219,100.88 188.484,100.88 189.5,101.896 U69.92@189.5,107.3
  other v1: 192,97.621
EMUX: U63.D12
  other v1: 315,73
EMUX_47: U62.D12
  other v1: 291,73
EMUX_48: U61.D12
  other v1: 267,73
EMUX_49: U60.D12
  other v1: 243,73
EMUX_50: U28.D12
  other v1: 363,193
EMUX_51: U21.D12
  other v1: 339,217
EMUX_52: U19.D12
  other v1: 291,217
EMUX_53: U18.D12
  other v1: 267,217
EMUX_54: U17.D12
  other v1: 243,217
EMUX_55: U25.D12
  other v1: 291,193
EMUX_56: U20.D12
  other v1: 315,217
EMUX_57: U27.D12
  other v1: 339,193
EMUX_58: U35.D12
  other v1: 363,169
EMUX_59: U42.D12
  other v1: 363,145
EMUX_60: U34.D12
  other v1: 339,169
EMUX_61: U26.D12
  other v1: 315,193
EMUX_62: U24.D12
  other v1: 267,193
EMUX_63: U23.D12
  other v1: 243,193
EMUX_64: U16.D12
  other v1: 219,217
EMUX_65: U51.D12
  other v1: 363,121
EMUX_66: U41.D12
  other v1: 339,145
EMUX_67: U33.D12
  other v1: 315,169
EMUX_68: U32.D12
  other v1: 291,169
EMUX_69: U31.D12
  other v1: 267,169
EMUX_70: U30.D12
  other v1: 243,169
EMUX_71: U22.D12
  other v1: 219,193
EMUX_72: U58.D12
  other v1: 363,97
EMUX_73: U50.D12
  other v1: 339,121
EMUX_74: U40.D12
  other v1: 315,145
EMUX_75: U39.D12
  other v1: 291,145
EMUX_76: U38.D12
  other v1: 267,145
EMUX_77: U37.D12
  other v1: 243,145
EMUX_78: U36.D12
  other v1: 219,145
EMUX_79: U29.D12
  other v1: 219,169
EMUX_80: U65.D12
  other v1: 363,73
EMUX_81: U57.D12
  other v1: 339,97
EMUX_82: U49.D12
  other v1: 315,121
EMUX_83: U48.D12
  other v1: 291,121
EMUX_84: U47.D12
  other v1: 267,121
EMUX_85: U46.D12
  other v1: 243,121
EMUX_86: U45.D12
  other v1: 219,121
EMUX_87: U64.D12
  other v1: 339,73
EMUX_88: U56.D12
  other v1: 315,97
EMUX_89: U55.D12
  other v1: 291,97
EMUX_90: U54.D12
  other v1: 267,97
EMUX_91: U53.D12
  other v1: 243,97
EMUX_92: U52.D12
  other v1: 219,97
EN_V12: R187.1 U66.9 | length 43.7
  BOTTOM w0.127: v1(186.881,63.362) 186.881,60.164 189.255,57.79 193.179,57.79 193.601,57.368 204.759,57.368 206.822,59.431 210.178,59.431 210.431,59.178 210.431,57.111 212.968,54.574 221.53,54.574 221.53,54
  other v1: 189.218,145.23
EN_V12_U: R8.2 U66.11 U69.32 | length 26.7
  BOTTOM w0.127: 187.548,145.124 187.548,144.58 187.548,143.162 188.755,141.955 ; U69.32@188.5,122.7 188.5,124.163 188.301,124.362 188.254,124.362 187.253,125.363 187.131,125.363 186.432,126.062 186.432,133.934 187.321,134.823 189.074,134.823 189.709,135.458 189.709,141.002 188.756,141.955
  other v1: 193.129,142.592 184.611,144.773
EN_V18: R186.1 U66.7
  other v1: 297.38,41.882 328.871,53.092 187.25,84.896 189.598,108.417 189.286,146.53
EN_V18_U: R9.2 U66.13 U69.33
  other v1: 189,124.171 193.129,141.592 187.167,145.593
EN_VFPGA: U1.3 U2.3 U3.3 U13.3 U14.3 U15.3 U66.5 | length 84.2
  TOP w0.127: 224.083,244.022 224.083,257.044 226.242,259.203 230.31,259.203 230.327,259.22 234.385,263.278 248.178,263.278 252.115,259.341 v1(252.115,258.6) ; U14.3@287.95,243.175 288.466,243.175 288.466,247.036 288.731,247.301 288.731,249.186 287.715,250.202 286.796,250.202 284.891,252.107 v1(284.891,254.898) 285.668,255.675 291.758,255.675
  BOTTOM w0.127: 348.221,243.175 347.827,243.569 347.827,253.897 349.605,255.675 352.758,255.675
EN_VFPGA_U: R88.1 U66.15 U69.34
  other v1: 189.607,123.817 184.371,146.092 187.167,147.338
ENV12_INT: R187.2 U74.1 | length 1.3
  BOTTOM w0.127: U74.1@219.19,53.95 219.944,53.95 219.944,54 220.47,54
  other v1: 221.871,53.092
ENV18_INT: R186.2 U73.1 | length 1.3
  BOTTOM w0.127: U73.1@326.19,53.95 326.944,53.95 326.944,54 327.47,54
F0_RXN: C240.1 J11.3 | length 8.3
  TOP w0.062: J11.3@190.81,160.23 191.963,160.23 192.088,160.105 192.088,159.882 192.146,159.824 ; 192.975,159.824 v1(193.18,160.029)
  TOP w0.125: J11.3@190.81,160.23 191.963,160.23 192.088,160.105 192.088,159.882 192.213,159.757 192.908,159.757 v1(193.18,160.029)
  BOTTOM w0.062: 191.34,160.23 191.838,160.23 191.963,160.105 191.963,159.882 192.021,159.824 ; 192.975,159.824 v1(193.18,160.029)
  BOTTOM w0.125: 191.34,160.23 191.838,160.23 191.963,160.105 191.963,159.882 192.088,159.757 192.908,159.757 v1(193.18,160.029)
F0_RXP: C241.1 J11.2 | length 8.3
  TOP w0.062: J11.2@190.81,158.96 191.963,158.96 192.088,159.085 192.088,159.307 192.146,159.365 ; 192.975,159.365 v1(193.18,159.16)
  TOP w0.125: J11.2@190.81,158.96 191.963,158.96 192.088,159.085 192.088,159.307 192.213,159.432 192.908,159.432 v1(193.18,159.16)
  BOTTOM w0.062: 191.34,158.96 191.838,158.96 191.963,159.085 191.963,159.307 192.021,159.365 ; 192.975,159.365 v1(193.18,159.16)
  BOTTOM w0.125: 191.34,158.96 191.838,158.96 191.963,159.085 191.963,159.307 192.088,159.432 192.908,159.432 v1(193.18,159.16)
F0_TXN: C225.1 J11.5 | length 8.3
  TOP w0.062: J11.5@190.81,162.77 191.963,162.77 192.088,162.895 192.088,163.117 192.146,163.175 ; 192.975,163.175 v1(193.18,162.97)
  TOP w0.125: J11.5@190.81,162.77 191.963,162.77 192.088,162.895 192.088,163.117 192.213,163.242 192.908,163.242 v1(193.18,162.97)
  BOTTOM w0.062: 191.34,162.77 191.838,162.77 191.963,162.895 191.963,163.117 192.021,163.175 ; 192.975,163.175 v1(193.18,162.97)
  BOTTOM w0.125: 191.34,162.77 191.838,162.77 191.963,162.895 191.963,163.117 192.088,163.242 192.908,163.242 v1(193.18,162.97)
F0_TXP: C224.1 J11.6 | length 8.3
  TOP w0.062: J11.6@190.81,164.04 191.963,164.04 192.088,163.915 192.088,163.692 192.146,163.634 ; 192.975,163.634 v1(193.18,163.839)
  TOP w0.125: J11.6@190.81,164.04 191.963,164.04 192.088,163.915 192.088,163.692 192.213,163.567 192.908,163.567 v1(193.18,163.839)
  BOTTOM w0.062: 191.34,164.04 191.838,164.04 191.963,163.915 191.963,163.692 192.021,163.634 ; 192.975,163.634 v1(193.18,163.839)
  BOTTOM w0.125: 191.34,164.04 191.838,164.04 191.963,163.915 191.963,163.692 192.088,163.567 192.908,163.567 v1(193.18,163.839)
F1_RXN: C623.1 J10.5 | length 1.6
  TOP w0.062: J10.5@389.19,179.73 390.343,179.73 390.468,179.605 390.468,179.382 390.526,179.324
F1_RXP: C632.1 J10.6 | length 1.6
  TOP w0.062: J10.6@389.19,178.46 390.343,178.46 390.468,178.585 390.468,178.807 390.526,178.865
F1_TXN: C195.1 J10.3 | length 1.7
  TOP w0.125: C195.1@387.53,182.25 389.17,182.25 J10.3@389.19,182.27
F1_TXP: C194.1 J10.2 | length 1.7
  TOP w0.125: C194.1@387.53,183.5 389.15,183.5 J10.2@389.19,183.54
  other v3: 388.265,183.877
F2_RXN: C622.1 J9.5 | length 1.6
  TOP w0.062: J9.5@190.81,181.27 191.963,181.27 192.088,181.395 192.088,181.617 192.146,181.675
F2_RXP: C621.1 J9.6 | length 1.6
  TOP w0.062: J9.6@190.81,182.54 191.963,182.54 192.088,182.415 192.088,182.192 192.146,182.134
F2_TXN: C624.1 J9.3 | length 1.6
  TOP w0.062: J9.3@190.81,178.73 191.963,178.73 192.088,178.605 192.088,178.382 192.146,178.324
F2_TXP: C633.1 J9.2 | length 1.6
  TOP w0.062: J9.2@190.81,177.46 191.963,177.46 192.088,177.585 192.088,177.807 192.146,177.865
FAN_ED0: J15.A2 R33.1 U66.2 | length 96.7
  TOP w0.127: 192.16,143.173 191.123,143.173 190.947,143.349 190.267,143.349 189.378,142.46 189.378,141.236 188.981,140.839 186.043,140.839 185.696,141.186 184.849,141.186 183.642,139.979 183.642,138.982 183.296,138.636 183.296,138.59 183.295,138.589 183.295,132.463 182.974,132.142 182.974,130.98 183.27,130.684 183.27,125.529 184.159,124.64 184.564,124.64 184.882,124.958 184.882,125.003 185.009,125.13 187.161,125.13 187.555,124.736 187.555,123.763 187.174,123.382 182.613,123.382 181.597,122.366 181.597,109.253 183.693,107.157 193.664,107.157 194.49,106.331 194.49,105.5 195.625,104.365 195.625,103.449 196.324,102.75 199.172,102.75 199.49,102.432 199.49,99.018 200.57,97.938 200.575,97.938 203.75,94.763 203.75,81.88 204.26,81.37 v1(204.26,81.01)
  other v1: 394.738,40.577 193.129,144.408 190.233,149.78
FAN_ED0_U: U66.18 U69.65
  other v1: 200.317,114 182.768,147.966
FAN_ED1: J15.C2 R32.1 U66.4 | length 210.5
  BOTTOM w0.127: v1(246.338,39.832) 246.338,38.606 249.14,35.804 278.696,35.804 282.244,39.352 301.865,39.352 304.374,36.843 315.945,36.843 318.553,39.451 363.575,39.451 363.745,39.281 369.031,39.281 369.102,39.352 375.103,39.352 377.251,37.204 388.521,37.204 393.386,42.069 393.386,46.34 394.272,47.226 395.1,47.226 396.504,48.63 396.504,69.86 397.428,70.784 397.428,83.906 397.175,84.159 394.013,84.159 391.827,81.973 391.827,81.197 J15.C2@389.62,78.99
  other v1: 184.583,101.767 193.129,143.408 184.915,143.573 189.418,148.48 192.891,151.022
FAN_ED1_U: U66.16 U69.64
  other v1: 198.078,114.5 182.756,146.53 181.833,147.431
FAN_PWM: J15.A1 U66.3
  other v1: 397.38,35.483 189.353,149.13
FAN_PWM_U: U66.17 U69.68 | length 43.6
  TOP w0.127: 189.267,148.48 189.267,147.612 189.664,147.215 192.313,147.215 192.859,146.669 194.195,146.669 194.324,146.798 195.122,146.798 197.615,144.305 197.625,144.305 199.276,142.654 199.276,113.541 v1(200.317,112.5)